# Altium PCB Fumsat Sanjeshi PCB.PcbDoc (part 1 of 2)
Units mm, origin at the board's own origin, x right, y up, seen from the top; angles counter-clockwise.
Board outline 60.2 x 90.04 mm, 4 copper layers (Top Layer, Layer 1, Layer 2, Bottom Layer); 128 components, 172 nets, 724 pads, 202 vias.
Unrouted connection lines stored in the file: 289.
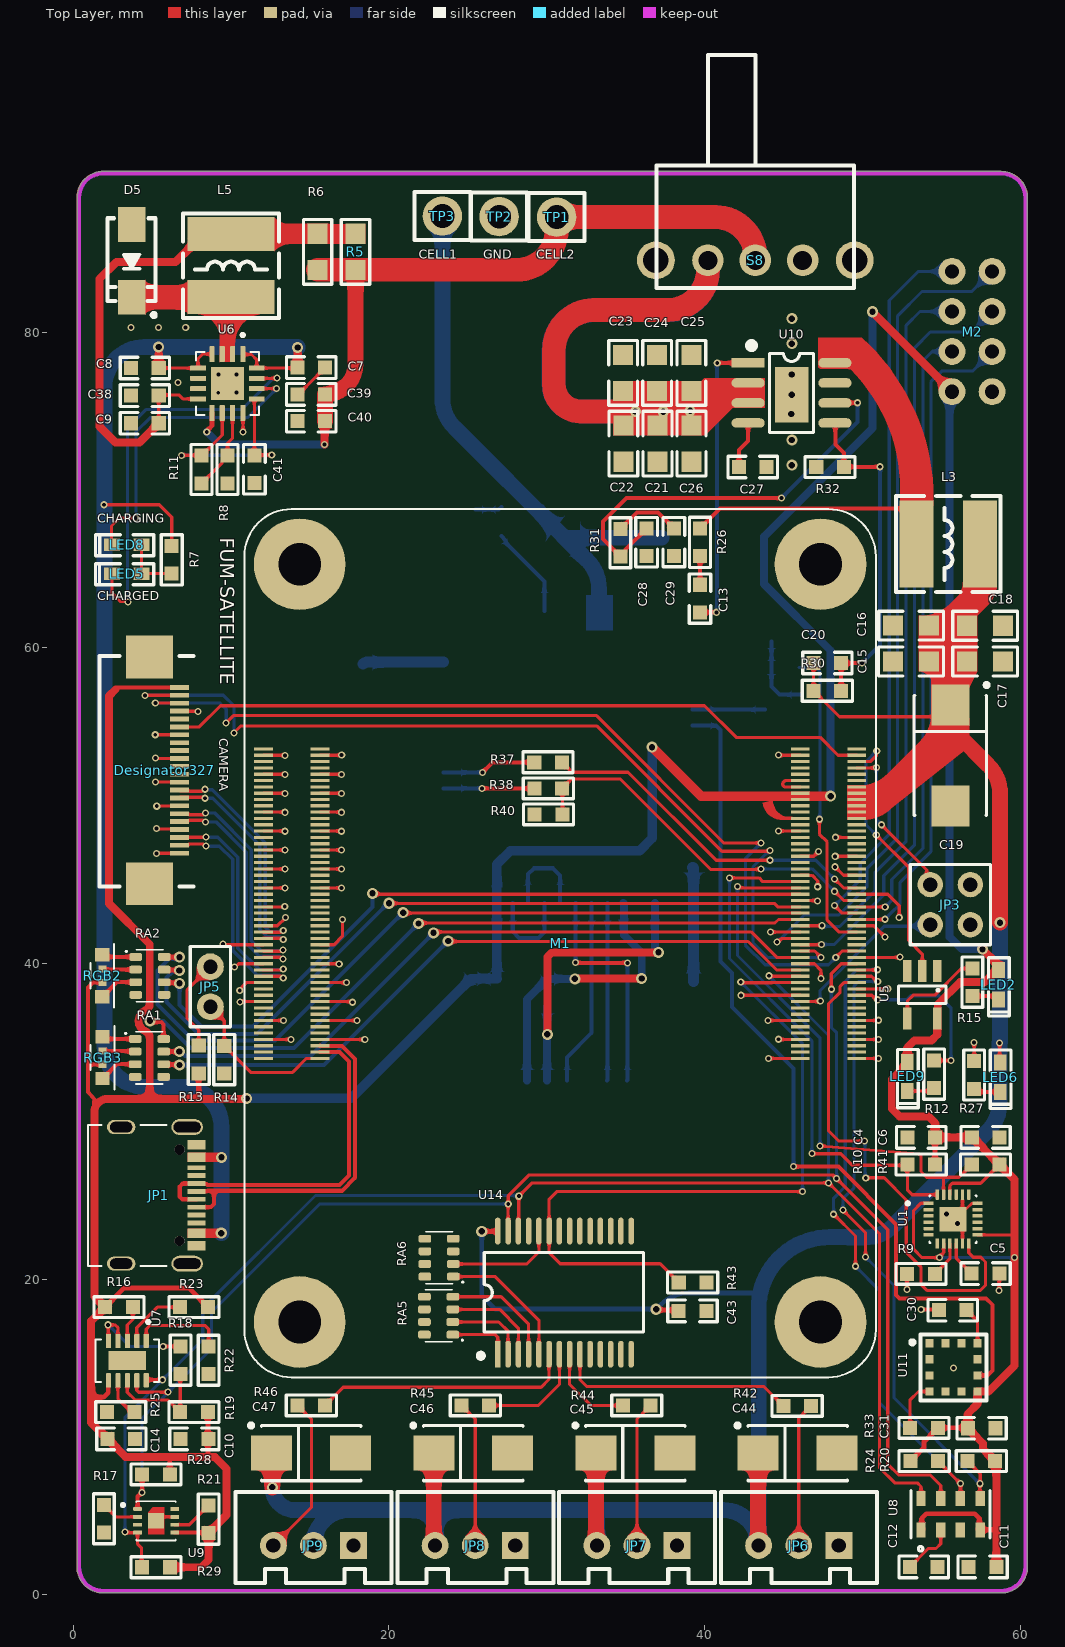
[diagram p0: Top Layer view]
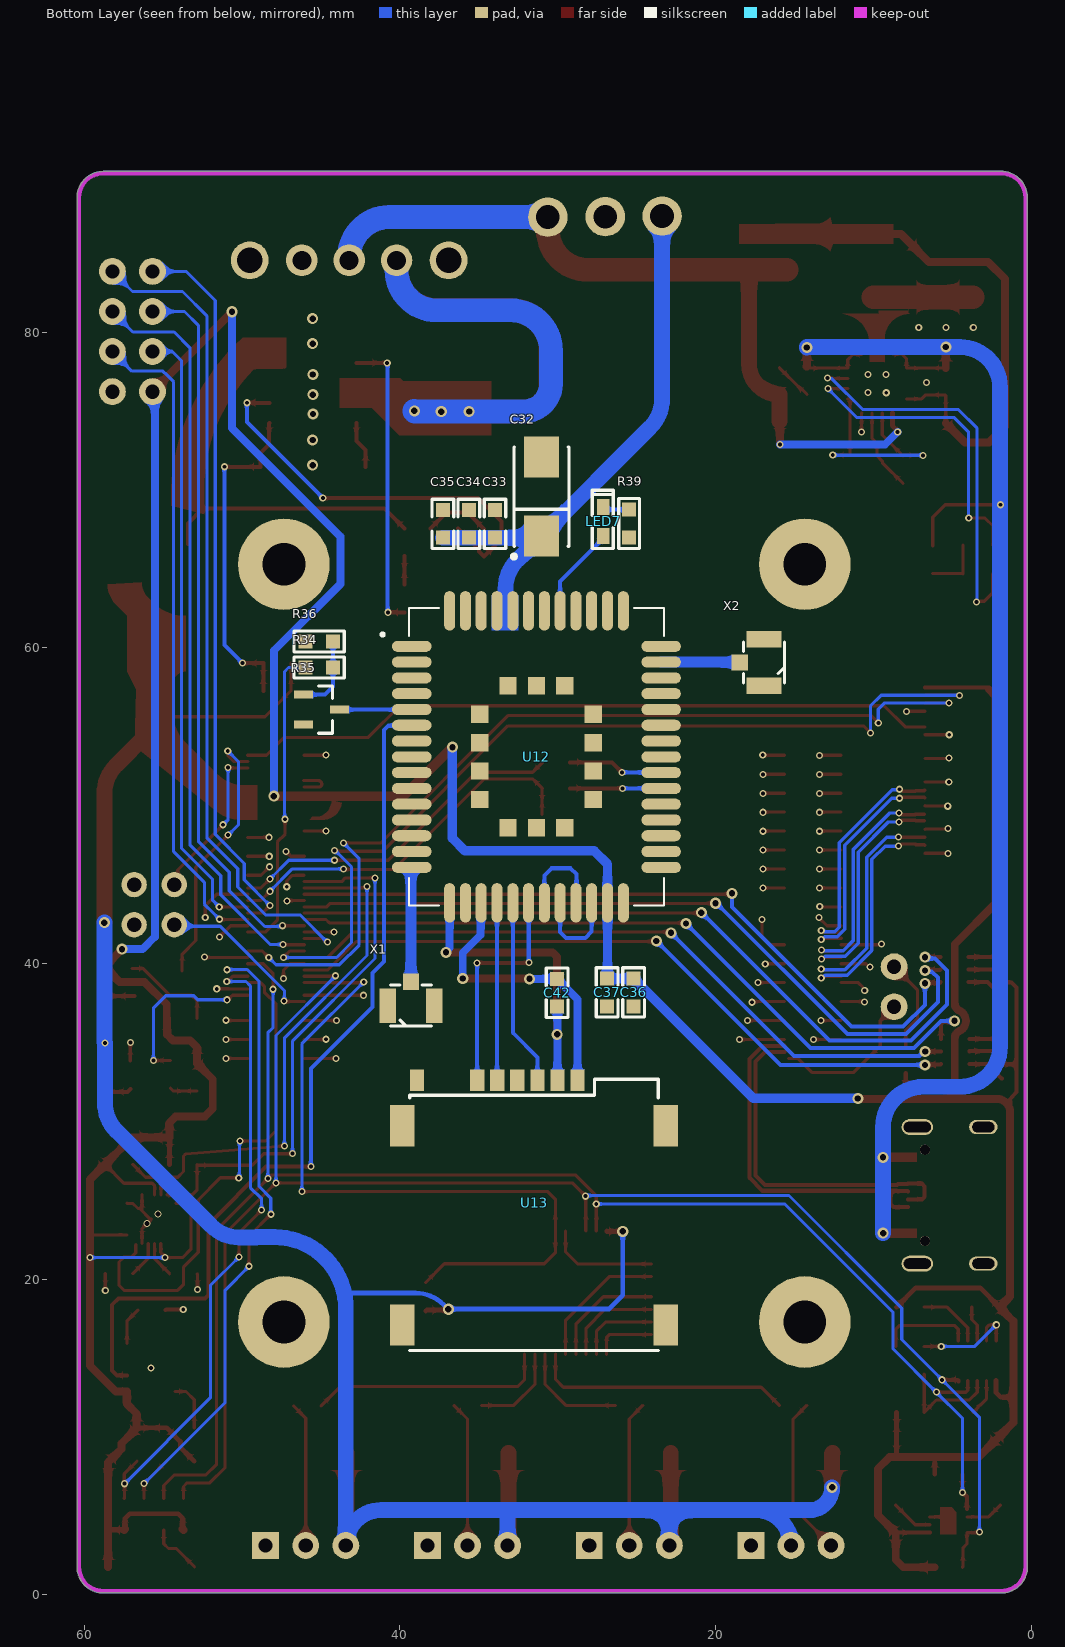
[diagram p1: Bottom Layer view, seen from below]
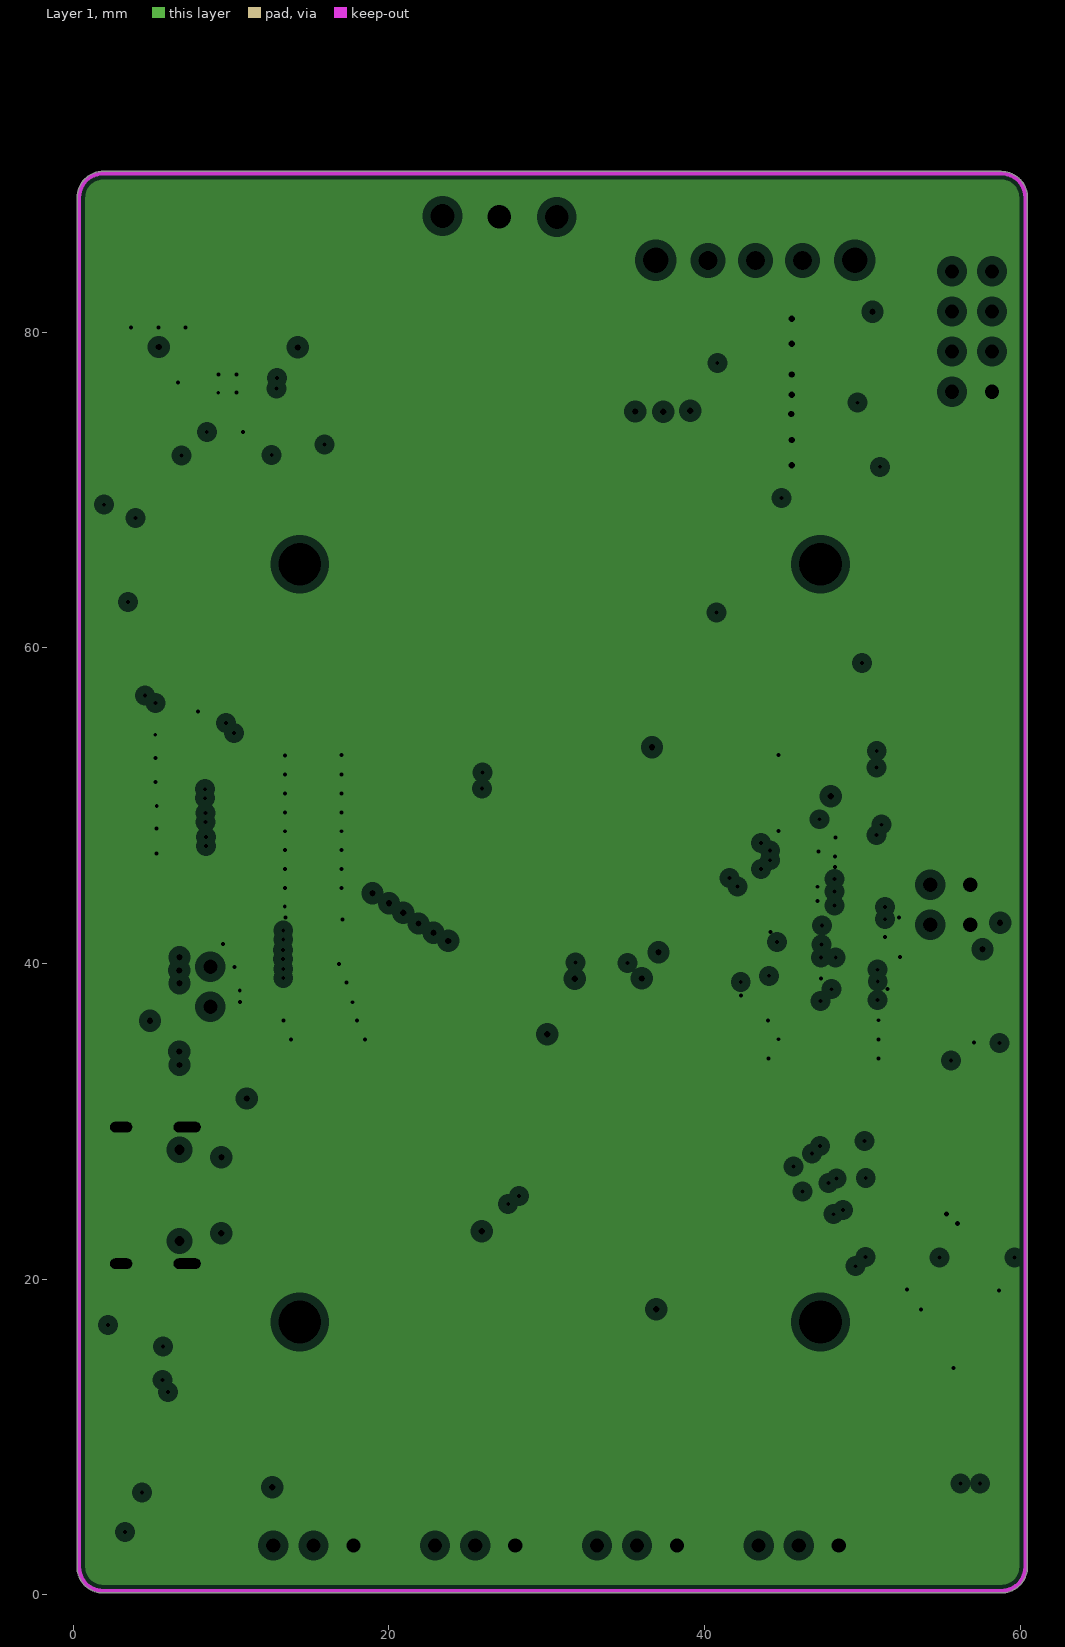
[diagram p2: Layer 1, clearances drawn from the general rule]
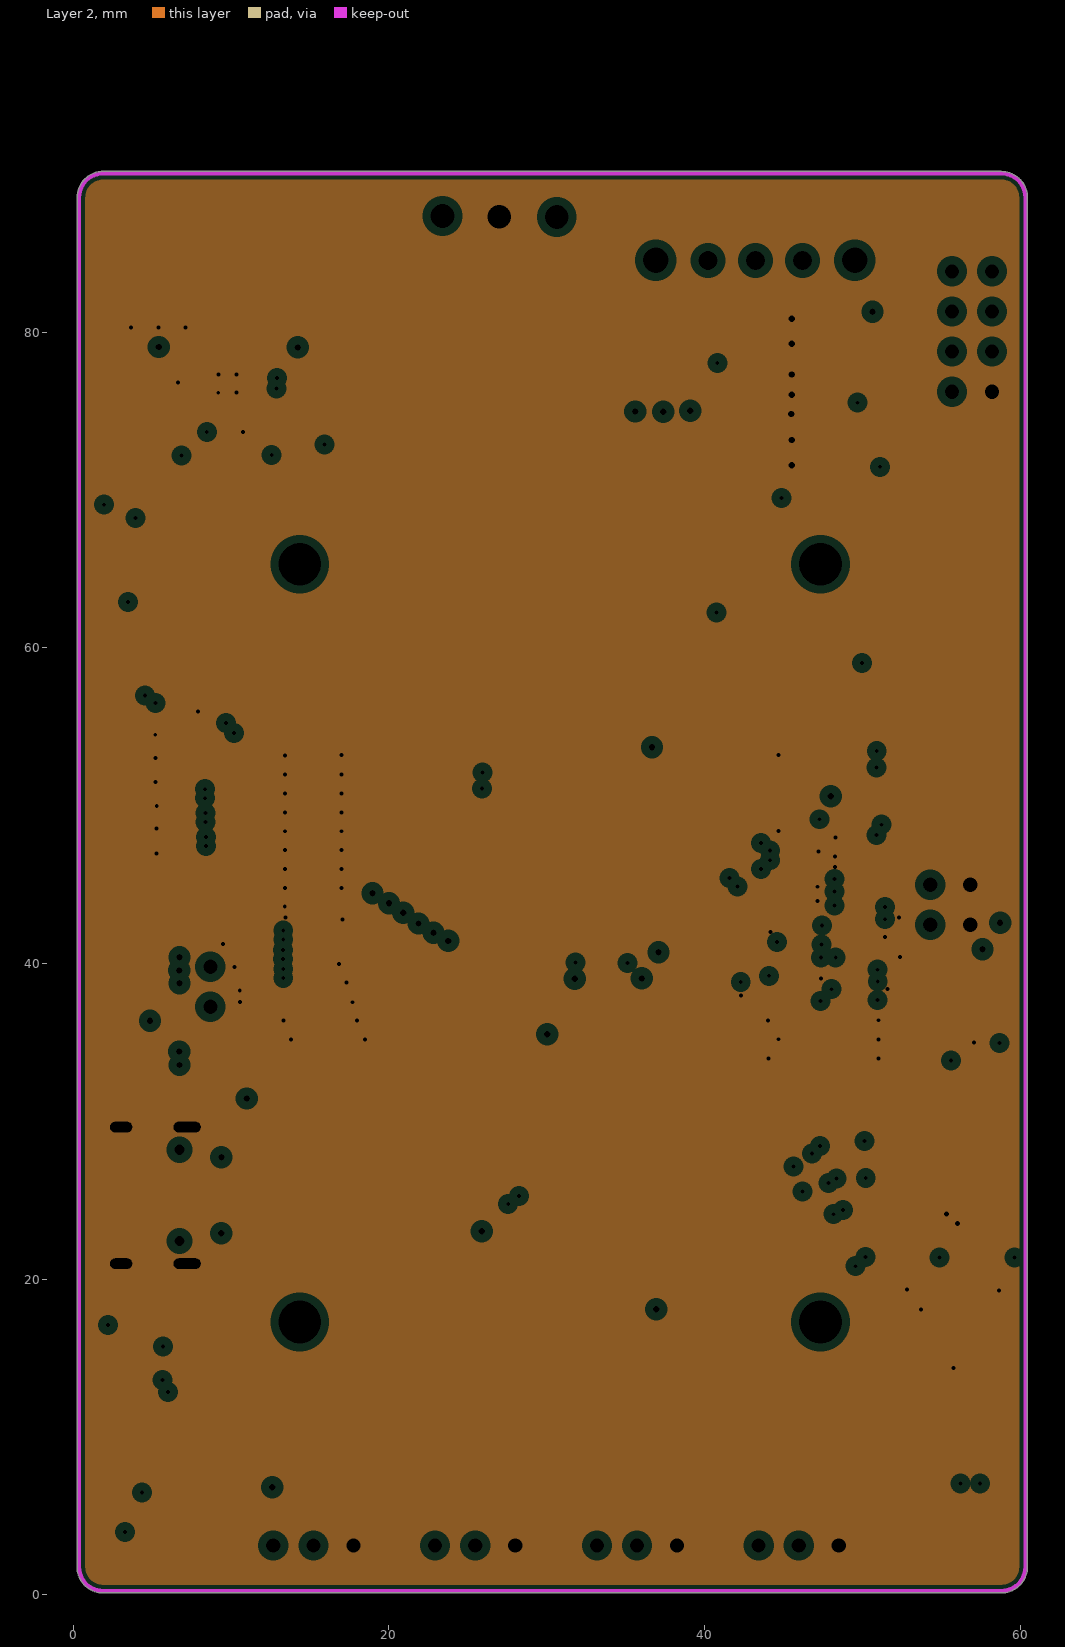
[diagram p3: Layer 2, clearances drawn from the general rule]

## Layer stack, top to bottom
Top Solder: solder mask 0.0102, Solder Resist, Dk 3.5
Top Layer: signal copper 0.0356
Dielectric 2: prepreg 0.32, FR-4, Dk 4.1
Layer 1: plane copper 0.0356, net GND
Dielectric 1: dielectric 0.32, FR-4, Dk 4.8
Layer 2: plane copper 0.0356, net GND
Dielectric 3: prepreg 0.32, FR-4, Dk 4.1
Bottom Layer: signal copper 0.0356
Bottom Solder: solder mask 0.0102, Solder Resist, Dk 3.5

## Board outline
0.254,1.778 0.254,88.646 0.263,88.694 cw(c1.905,88.519) 1.73,90.161 1.778,90.17 58.801,90.17 cw(c58.801,88.519) 60.452,88.519 60.452,1.778 cw(c58.801,1.778) 58.801,0.127 1.905,0.127 cw(c1.905,1.778)

## Design rules (kind name [scope] priority, off if disabled: settings)
Clearance Clearance_2 [InNamedPolygon('NONET_L01_P000') Or InNamedPolygon('NONET_L04_P001')] p1: gap=0.3 ignorepadtopadclearanceinfootprint=FALSE
Clearance [All] p2: gap=0.12 ignorepadtopadclearanceinfootprint=FALSE
ComponentClearance [All] p1: gap=0 collisioncheckmode=3 verticalgap=0 showdistances=FALSE
DiffPairsRouting 100ohm [InDifferentialPairClass('100')] p1: maxlimit=0.127 minlimit=0.127 mostfreqgap=0.127 toplayer_minwidth=0.218 toplayer_maxwidth=0.218 toplayer_prefwidth=0.218 bottomlayer_minwidth=0.218 bottomlayer_maxwidth=0.218 bottomlayer_prefwidth=0.218 maxuncoupledlength=12.7
DiffPairsRouting 90ohm [InDifferentialPairClass('90')] p2: maxlimit=0.12 minlimit=0.12 mostfreqgap=0.12 toplayer_minwidth=0.256 toplayer_maxwidth=0.256 toplayer_prefwidth=0.256 bottomlayer_minwidth=0.256 bottomlayer_maxwidth=0.256 bottomlayer_prefwidth=0.256 maxuncoupledlength=12.7
HoleSize [All] p1: absolutevalues=TRUE maxlimit=5 minlimit=0.025 maxpercent=80.000 minpercent=20.000
PlaneClearance [All] p1: clearance=0.508
PlaneConnect [All] p1: planeconnectstyle=Relief reliefexpansion=0.508 reliefentries=4 reliefconductorwidth=0.254 reliefairgap=0.254
PolygonConnect PolygonConnect_2 [All vs IsNamedPolygon('NONET_L01_P000') Or IsNamedPolygon('NONET_L04_P001')] p1: connectstyle=Direct reliefconductorwidth=0.254 reliefentries=4 polygonreliefangle="90 Angle" airgapwidth=0.254
PolygonConnect PolygonConnect_1 [All vs IsNamedPolygon('NONET_L01_P000') Or IsNamedPolygon('NONET_L02_P001')] p2: connectstyle=Direct reliefconductorwidth=0.254 reliefentries=4 polygonreliefangle="90 Angle" airgapwidth=0.254
PolygonConnect [All] p3: connectstyle=Relief reliefconductorwidth=0.254 reliefentries=4 polygonreliefangle="90 Angle" airgapwidth=0.254
RoutingVias [All] p1: holewidth=0.4 width=0.7 viastyle="Through Hole" minholewidth=0.25 minwidth=0.45 maxholewidth=0.4 maxwidth=0.7
SolderMaskExpansion [All] p1: expansion=0.102 istentingtop=FALSE
Width [All] p1: maxlimit=3 minlimit=0.1 preferedwidth=0.254
25 further rules are at their usual default settings.

## Classes and differential pairs
differential pair USB2: +USB2_P -USB2_N
differential pair CAM_D1: +CAM_D1_P -CAM_D1_N
differential pair CAM_D0: +CAM_D0_P -CAM_D0_N
differential pair CAM_CK: +CAM_CK_P -CAM_CK_N

## Components (designator, comment, footprint, x,y, rotation, side; value= is the part's Value field where it differs from the comment)
C4 "100nF" "C 0603" 53.72,28.984 r180 top
C5 "100nF" "C 0603" 57.813,20.354 r0 top
C6 "10nF" "C 0603" 57.821,28.984 r0 top
C7 "10uF" "C 0603" 15.077,77.745 r180 top
C8 "100nF" "C 0603" 4.563,77.722 r0 top
C9 "10uF" "C 0603" 4.563,74.222 r0 top
C10 "100nF" "C 0603" 7.675,9.886 r180 top
C11 "100nF" "C 0603" 57.625,1.777 r0 top
C12 "100nF" "C 0603" 53.877,1.777 r180 top
C13 "100nF" "C 0603" 39.716,63.102 r270 top
C14 "100nF" "C 0603" 3.068,9.886 r0 top
C15 "10uF" "C 0805" 53.08,59.124 r180 top
C16 "10uF" "C 0805" 53.09,61.399 r180 top
C17 "10uF" "C 0805" 57.779,59.124 r0 top
C18 "10uF" "C 0805" 57.774,61.395 r0 top
C19 "100uF" "CD D(7343)" 55.571,53.185 r270 top
C20 "nF" "C 0603" 47.796,59.031 r0 top
C21 "10uF" "C 0805" 37.017,72.925 r270 top
C22 "10uF" "C 0805" 34.858,72.925 r270 top
C23 "10uF" "C 0805" 34.844,77.414 r90 top
C24 "10uF" "C 0805" 37.003,77.414 r90 top
C25 "10uF" "C 0805" 39.162,77.414 r90 top
C26 "10uF" "C 0805" 39.176,72.925 r270 top
C27 "100nF" "C 0603" 43.066,71.448 r0 top
C28 "nF" "C 0603" 36.328,66.667 r270 top
C29 "1.2nF" "C 0603" 38.056,66.675 r270 top
C30 "1nF" "C 0603" 55.737,18.037 r0 top
C31 "100nF" "C 0603" 57.541,10.557 r180 top
C32 "100uF" "CD C(6032)" 31.034,69.575 r90 bottom
C33 "100nF" "C 0603" 33.978,67.858 r90 bottom
C34 "10pF" "C 0603" 35.629,67.858 r90 bottom
C35 "33pF" "C 0603" 37.28,67.858 r90 bottom
C36 "10Uf" "C 0603" 25.201,38.15 r270 bottom
C37 "100nF" "C 0603" 26.876,38.15 r270 bottom
C38 "100nF" "C 0603" 4.563,75.972 r0 top
C39 "10uF" "C 0603" 15.102,76.048 r0 top
C40 "100nF" "C 0603" 15.102,74.35 r0 top
C41 "100nF" "C 0603" 11.482,71.319 r90 top
C42 "100nF" "C 0603" 30.045,38.13 r270 bottom
C43 "10uF" "C 0603" 39.226,17.989 r180 top
C44 "=Value" "CD C(6032)" 45.894,8.984 r0 top
C45 "=Value" "CD C(6032)" 35.622,8.984 r0 top
C46 "=Value" "CD C(6032)" 25.35,8.984 r0 top
C47 "=Value" "CD C(6032)" 15.078,8.984 r0 top
D5 "M7" SMA 3.712,84.507 r270 top
Designator327 "Comment" FFC_0.5_22 4.971,52.491 r270 top
JP1 "USB-C" USB-C-RIGHT 3.875,25.565 r270 top
JP3 "Header2X2" HDR-2X2 56.838,42.453 r90 top
JP5 "HDR-1X2" HDR-1X2 8.696,39.797 r270 top
JP6 "HDR-1X3" XH2.54-3P 48.508,3.128 r180 top
JP7 "HDR-1X3" XH2.54-3P 38.261,3.128 r180 top
JP8 "HDR-1X3" XH2.54-3P 28.013,3.128 r180 top
JP9 "HDR-1X3" XH2.54-3P 17.765,3.128 r180 top
L3 "2.2uH || 1uH" CD53 55.441,66.572 r0 top
L5 "22uH" CD54 10.001,84.205 r90 top
LED2 "LED-SMD" "LED 0603R" 58.619,38.648 r270 top
LED5 "LED-SMD" "LED 0603R" 3.396,64.68 r180 top
LED6 "LED-SMD" "LED 0603R" 58.732,32.799 r270 top
LED7 "LED-SMD" "LED 0603Y" 27.128,67.998 r90 bottom
LED8 "LED-SMD" "LED 0603B" 3.4,66.517 r180 top
LED9 "LED-SMD" "LED 0603Y" 52.852,32.843 r270 top
M1 "RPI CM4" CM4 31.077,41.312 r270 top
M2 "E01-ML01DP5" E01-ML01DP5 44.22,69.924 r0 top
R5 "=Value" "R 0805" 17.888,85.082 r270 top
R6 "=Value" "R 0805" 15.495,85.082 r90 top
R7 "1K" "R 0603" 6.249,65.558 r270 top
R8 "NTC" "R 0603" 9.784,71.277 r270 top
R9 "10K" "R 0603" 53.729,20.335 r0 top
R10 "10K" "R 0603" 53.71,27.261 r180 top
R11 "RTS" "R 0603" 8.135,71.301 r90 top
R12 "1K" "R 0603" 54.542,32.975 r270 top
R13 "10K" "R 0603" 7.959,33.927 r90 top
R14 "10K" "R 0603" 9.577,33.92 r90 top
R15 "1K" "R 0603" 56.968,38.826 r90 top
R16 "10K" "R 0603" 2.918,18.228 r0 top
R17 "10K" "R 0603" 1.951,4.84 r90 top
R18 "10K" "R 0603" 6.811,14.882 r90 top
R19 "10K" "R 0603" 7.676,11.576 r0 top
R20 "10K" "R 0603" 57.548,8.474 r0 top
R21 "10K" "R 0603" 8.59,4.815 r90 top
R22 "10K" "R 0603" 8.59,14.88 r90 top
R23 "10K" "R 0603" 7.676,18.228 r0 top
R24 "10K" "R 0603" 53.901,8.474 r180 top
R25 "10K" "R 0603" 3.009,11.576 r180 top
R26 "10R" "R 0603" 39.716,66.667 r270 top
R27 "1K" "R 0603" 57.081,32.926 r270 top
R28 "10K" "R 0603" 5.238,7.636 r180 top
R29 "10K" "R 0603" 5.238,1.753 r180 top
R30 "12K" "R 0603" 47.794,57.275 r0 top
R31 "20K" "R 0603" 34.672,66.663 r90 top
R32 "2.2K" "R 0603" 47.941,71.437 r180 top
R33 "10K" "R 0603" 53.889,10.582 r180 top
R34 "1K" "R 0603" 45.106,58.746 r180 bottom
R35 "SS8050" SOT23-3N 44.963,56.079 r270 bottom
R36 "10K" "R 0603" 45.106,60.397 r180 bottom
R37 "1K" "R 0603" 30.103,52.746 r0 top
R38 "1K" "R 0603" 30.122,51.089 r0 top
R39 "1K" "R 0603" 25.477,67.858 r270 bottom
R40 "5.6K" "R 0603" 30.133,49.451 r0 top
R41 "10K" "R 0603" 57.79,27.27 r180 top
R42 "=Value" "R 0603" 45.856,11.974 r180 top
R43 "10K" "R 0603" 39.257,19.791 r0 top
R44 "220R" "R 0603" 35.695,12.004 r180 top
R45 "220R" "R 0603" 25.498,12.008 r0 top
R46 "220R" "R 0603" 15.108,12.008 r0 top
RA1 "1K" "RA1206 (4x0603)" 4.835,34.017 r0 top
RA2 "1K" "RA1206 (4x0603)" 4.869,39.213 r0 top
RA5 "1K" "RA1206 (4x0603)" 23.158,17.687 r180 top
RA6 "1K" "RA1206 (4x0603)" 23.186,21.364 r180 top
RGB2 "LED RGB_A" RGB-SIDE-020-1 1.878,39.23 r270 top
RGB3 "LED RGB_A" RGB-SIDE-020-1 1.891,34.04 r270 top
S8 "SS-12F23" SS-12F23 43.216,84.543 r90 top
TP1 "Test Point" TEST_POINT_40MIL_R 30.631,87.283 r0 top
TP2 "Test Point" TEST_POINT_40MIL_R 26.991,87.312 r0 top
TP3 "Test Point" TEST_POINT_40MIL_R 23.396,87.349 r0 top
U1 "MPU9250" QFN40-25N 55.538,24.518 r0 top
U5 "SN74LVC1G17DBVT" SOT23-5M 53.797,38.017 r180 top
U6 "TP5100" QFN16 9.673,76.79 r270 top
U7 "CCS811" CCS811 3.181,14.837 r270 top
U8 "MPL3115" MPL3115 55.55,5.134 r90 top
U9 "SHT35" SHT35 5.263,4.702 r0 top
U10 "AP64501SP-13" SOP8_M-EP 45.512,76.144 r0 top
U11 "ML8511" ML8511 55.695,14.425 r180 top
U12 "Quectel MC60" "Quectel MC60" 31.378,53.089 r180 bottom
U13 "SIMcard" SIMcard_6pin_1 31.559,24.332 r180 bottom
U14 "PCA9685" SSOP28_N 31.13,19.15 r90 top
X1 "u.Fl" "u.Fl 3P" 39.306,37.33 r0 bottom
X2 "u.Fl" "u.Fl 3P" 16.941,59.069 r270 bottom

## Footprints (in the part's own frame and the unit in brackets; to place one, negate y for a bottom-side part, rotate by r counter-clockwise, add the part's x,y. Pads: shape width x height; smd on the part's side, far side on the other; paste and mask are expansions set on the pad)
"C 0603" [mil] "ï¿½Þ¼ï¿½ï¿½ï¿½ï¿½ï¿½Æ¬ï¿½ï¿½ï¿½ï¿½"
  rect 35x35 smd: 1(-35,0) 2(34,0)
  silkscreen extent -62,-27 61,27, body extent -31,-16 31,16, height 32
"C 0805" [mil] "ï¿½Þ¼ï¿½ï¿½ï¿½ï¿½ï¿½Æ¬ï¿½ï¿½ï¿½ï¿½"
  rect 50x50 smd: 1(-45,0) 2(45,0)
  silkscreen extent -81,-36 81,36, body extent -39,-24 39,24, height 20
CCS811 [mm]
  rrect25% 0.91x0.32 smd: 1(-1.25,1.454) 2(-1.25,0.854) 3(-1.25,0.254) 4(-1.25,-0.346) 5(-1.25,-0.946) 6(1.25,-0.946) 7(1.25,-0.346) 8(1.25,0.254) 9(1.25,0.854) 10(1.25,1.454)
  rect 1.2x2.4 smd paste-2: 11(0,0.254)
  silkscreen extent -2.55,-1.75 1.35,2.25, body extent -1.35,-1.75 1.35,2.25, height 1.1
CD53 [mm] "5.8*5.2*3.5mm£¨³¤¿í¸ß£©"
  rect 2.15x5.5 smd: 1(-2,0) 2(2,0)
  silkscreen extent -3.3,-3.05 3.3,3.05, body extent -2.87,-2.5 2.87,2.5, height 3.6
CD54 [mm] "5.8*5.2*4.5mm£¨³¤¿í¸ß£©"
  rect 2.15x5.5 smd: 1(-2,0) 2(2,0)
  silkscreen extent -3.3,-3.05 3.3,3.05, body extent -2.87,-2.5 2.87,2.5, height 4
"CD C(6032)" [mm] "Capacitor, SM Tantalum; Body 6.0 x 3.2 mm (LxW typ)"
  rect 2.6x2.2 smd: 1(-2.5,0) 2(2.5,0)
  silkscreen extent -3.92,-1.75 3.15,1.88, body extent -3,-1.1 3,1.1, height 1.25
"CD D(7343)" [mm] "Capacitor, SM Tantalum; Body 7.3 x 4.3 mm (LxW typ)"
  rect 2.6x2.4 smd: 1(-3.2,0) 2(3.2,0)
  silkscreen extent -4.57,-2.3 3.8,2.43, body extent -3.65,-2.15 3.65,2.15, height 2.8
CM4 [mm]
  rect 0.2x1.2 smd: 1(7.325,18.567) 2(7.325,14.986) 3(6.925,18.567) 4(6.925,14.986) 5(6.525,18.567) 6(6.525,14.986) 7(6.125,18.567) 8(6.125,14.986) 9(5.725,18.567) 10(5.725,14.986) 11(5.325,18.567) 12(5.325,14.986) 13(4.925,18.567) 14(4.925,14.986) 15(4.525,18.567) 16(4.525,14.986) 17(4.125,18.567) 18(4.125,14.986) 19(3.725,18.567) 20(3.725,14.986) 21(3.325,18.567) 22(3.325,14.986) 23(2.925,18.567) 24(2.925,14.986) 25(2.525,18.567) 26(2.525,14.986) 27(2.125,18.567) 28(2.125,14.986) 29(1.725,18.567) 30(1.725,14.986) 31(1.325,18.567) 32(1.325,14.986) 33(0.925,18.567) 34(0.925,14.986) 35(0.525,18.567) 36(0.525,14.986) 37(0.125,18.567) 38(0.125,14.986) 39(-0.275,18.567) 40(-0.275,14.986) 41(-0.675,18.567) 42(-0.675,14.986) 43(-1.075,18.567) 44(-1.075,14.986) 45(-1.475,18.567) 46(-1.475,14.986) 47(-1.875,18.567) 48(-1.875,14.986) 49(-2.275,18.567) 50(-2.275,14.986) 51(-2.675,18.567) 52(-2.675,14.986) 53(-3.075,18.567) 54(-3.075,14.986) 55(-3.475,18.567) 56(-3.475,14.986) 57(-3.875,18.567) 58(-3.875,14.986) 59(-4.275,18.567) 60(-4.275,14.986) 61(-4.675,18.567) 62(-4.675,14.986) 63(-5.075,18.567) 64(-5.075,14.986) 65(-5.475,18.567) 66(-5.475,14.986) 67(-5.875,18.567) 68(-5.875,14.986) 69(-6.275,18.567) 70(-6.275,14.986) 71(-6.675,18.567) 72(-6.675,14.986) 73(-7.075,18.567) 74(-7.075,14.986) 75(-7.475,18.567) 76(-7.475,14.986) 77(-7.875,18.567) 78(-7.875,14.986) 79(-8.275,18.567) 80(-8.275,14.986) 81(-8.675,18.567) 82(-8.675,14.986) 83(-9.075,18.567) 84(-9.075,14.986) 85(-9.475,18.567) 86(-9.475,14.986) 87(-9.875,18.567) 88(-9.875,14.986) 89(-10.275,18.567) 90(-10.275,14.986) 91(-10.675,18.567) 92(-10.675,14.986) 93(-11.075,18.567) 94(-11.075,14.986) 95(-11.475,18.567) 96(-11.475,14.986) 97(-11.875,18.567) 98(-11.875,14.986) 99(-12.275,18.567) 100(-12.275,14.986) 101(7.325,-15.443) 102(7.325,-19.025) 103(6.925,-15.443) 104(6.925,-19.025) 105(6.525,-15.443) 106(6.525,-19.025) 107(6.125,-15.443) 108(6.125,-19.025) 109(5.725,-15.443) 110(5.725,-19.025) 111(5.325,-15.443) 112(5.325,-19.025) 113(4.925,-15.443) 114(4.925,-19.025) 115(4.525,-15.443) 116(4.525,-19.025) 117(4.125,-15.443) 118(4.125,-19.025) 119(3.725,-15.443) 120(3.725,-19.025) 121(3.325,-15.443) 122(3.325,-19.025) 123(2.925,-15.443) 124(2.925,-19.025) 125(2.525,-15.443) 126(2.525,-19.025) 127(2.125,-15.443) 128(2.125,-19.025) 129(1.725,-15.443) 130(1.725,-19.025) 131(1.325,-15.443) 132(1.325,-19.025) 133(0.925,-15.443) 134(0.925,-19.025) 135(0.525,-15.443) 136(0.525,-19.025) 137(0.125,-15.443) 138(0.125,-19.025) 139(-0.275,-15.443) 140(-0.275,-19.025) 141(-0.675,-15.443) 142(-0.675,-19.025) 143(-1.075,-15.443) 144(-1.075,-19.025) 145(-1.475,-15.443) 146(-1.475,-19.025) 147(-1.875,-15.443) 148(-1.875,-19.025) 149(-2.275,-15.443) 150(-2.275,-19.025) 151(-2.675,-15.443) 152(-2.675,-19.025) 153(-3.075,-15.443) 154(-3.075,-19.025) 155(-3.475,-15.443) 156(-3.475,-19.025) 157(-3.875,-15.443) 158(-3.875,-19.025) 159(-4.275,-15.443) 160(-4.275,-19.025) 161(-4.675,-15.443) 162(-4.675,-19.025) 163(-5.075,-15.443) 164(-5.075,-19.025) 165(-5.475,-15.443) 166(-5.475,-19.025) 167(-5.875,-15.443) 168(-5.875,-19.025) 169(-6.275,-15.443) 170(-6.275,-19.025) 171(-6.675,-15.443) 172(-6.675,-19.025) 173(-7.075,-15.443) 174(-7.075,-19.025) 175(-7.475,-15.443) 176(-7.475,-19.025) 177(-7.875,-15.443) 178(-7.875,-19.025) 179(-8.275,-15.443) 180(-8.275,-19.025) 181(-8.675,-15.443) 182(-8.675,-19.025) 183(-9.075,-15.443) 184(-9.075,-19.025) 185(-9.475,-15.443) 186(-9.475,-19.025) 187(-9.875,-15.443) 188(-9.875,-19.025) 189(-10.275,-15.443) 190(-10.275,-19.025) 191(-10.675,-15.443) 192(-10.675,-19.025) 193(-11.075,-15.443) 194(-11.075,-19.025) 195(-11.475,-15.443) 196(-11.475,-19.025) 197(-11.875,-15.443) 198(-11.875,-19.025) 199(-12.275,-15.443) 200(-12.275,-19.025)